# Altium PCB ST1-1-BASIS.PcbDoc (part 2 of 7)
Units mm, origin at the board's own origin, x right, y up, seen from the top; angles counter-clockwise.
Board outline 88 x 170 mm, 6 copper layers (Top Layer, Mid 1, Mid 2 (GND), Mid 3 (PWR), Mid 4, Bottom Layer), stack 1.55 mm thick; 633 components, 333 nets, 1767 pads, 930 vias.
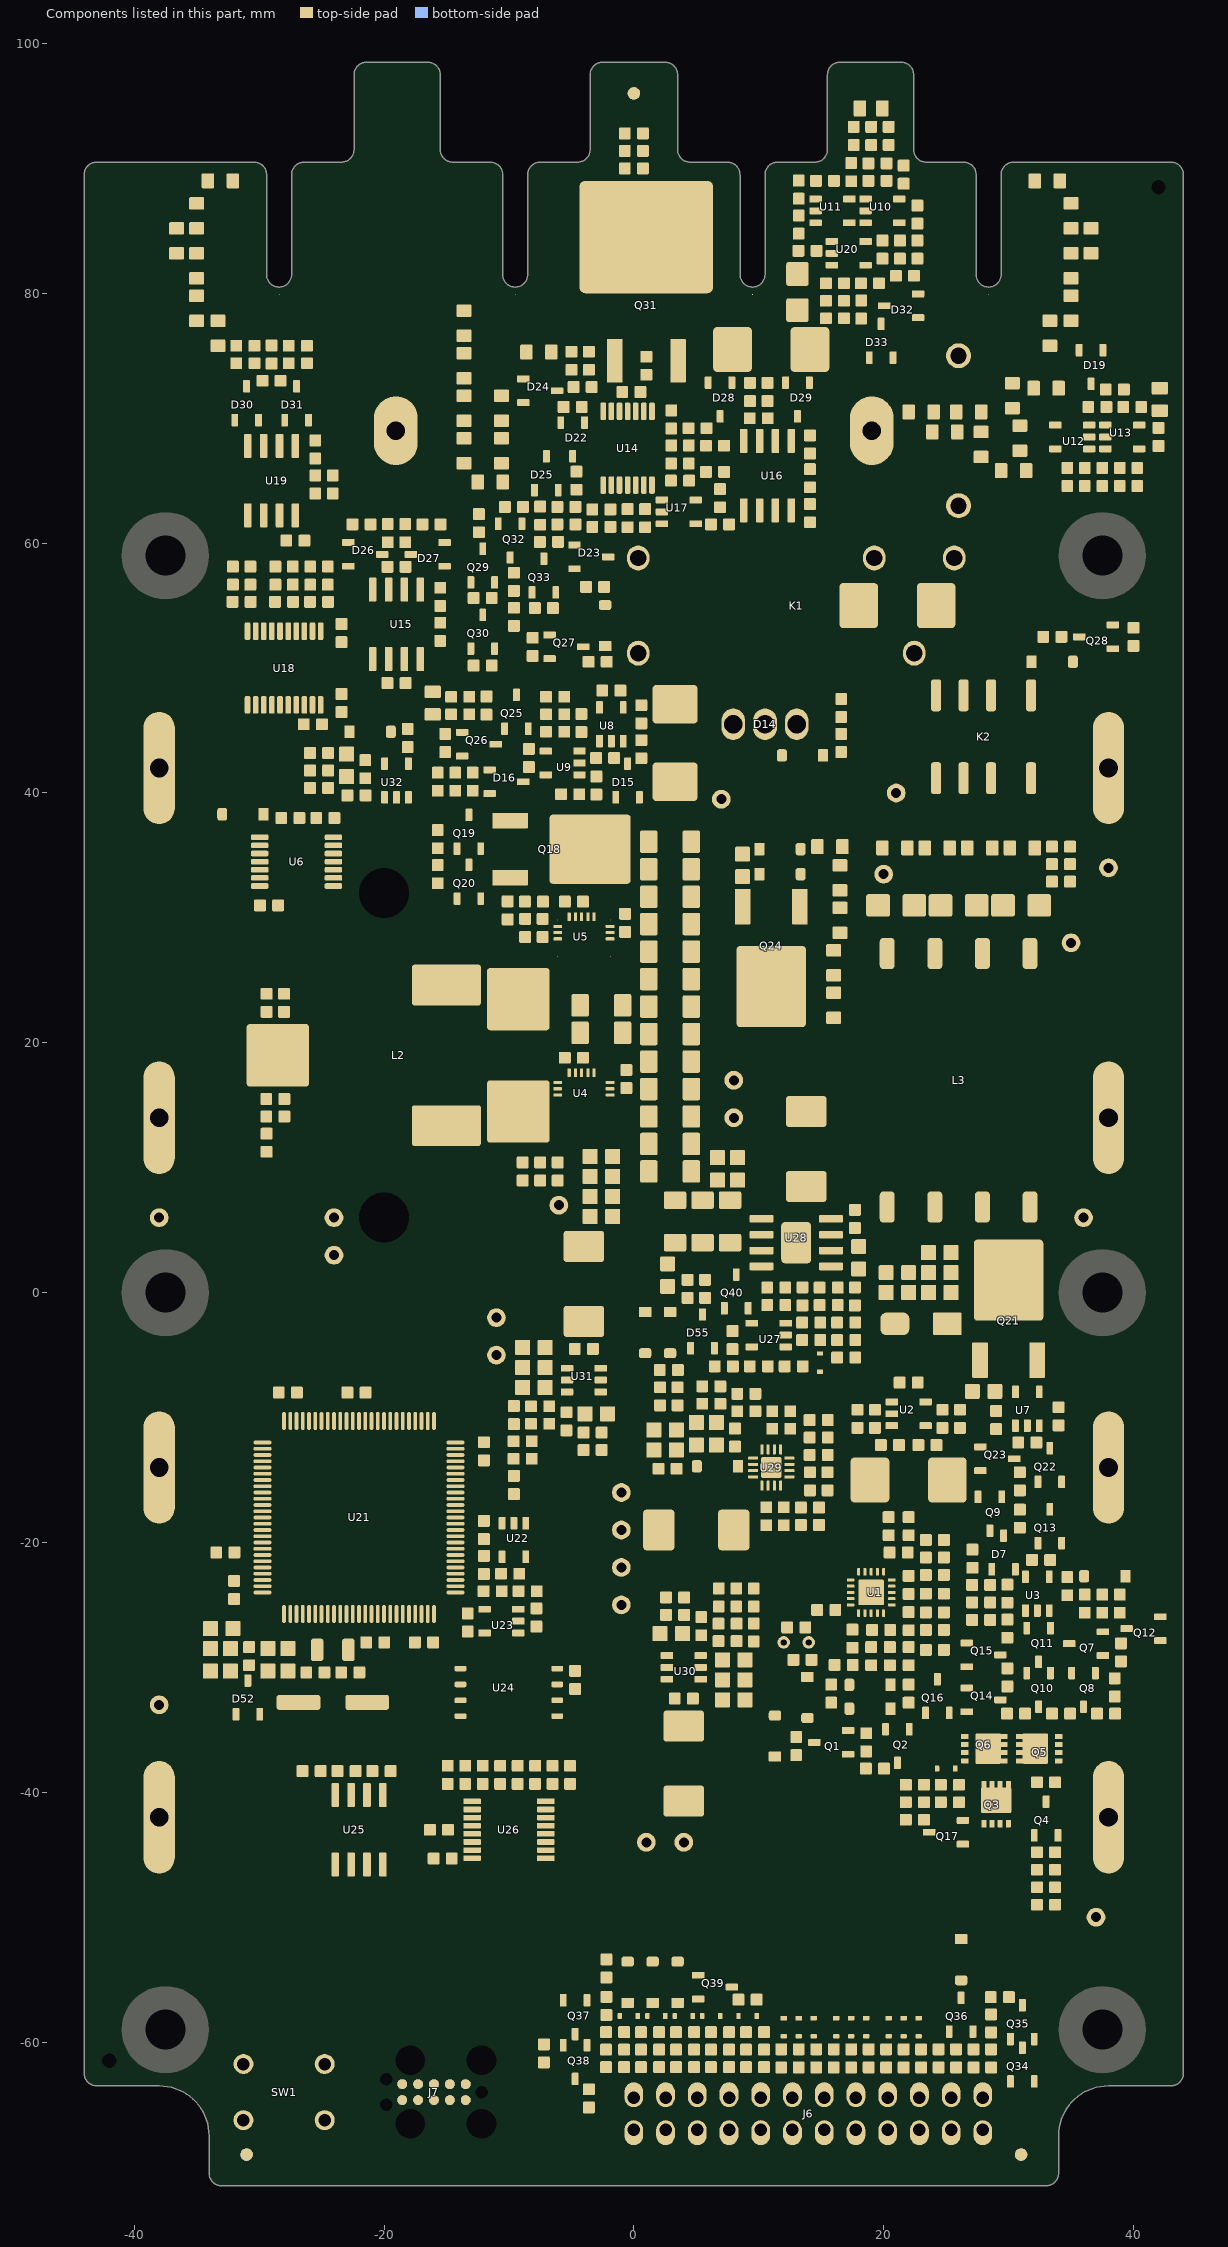
[diagram p6: the components of this part, seen from the top]

## Components (designator, comment, footprint, x,y, rotation, side; value= is the part's Value field where it differs from the comment) (continued)
C137 "10U/0805/50V/X5R" CAP0805_X7R 8,-29.4 r180 top value=10uF
C138 "47P/0603/50V/C0G" CAP0603_C0G 7.5,-27.9 r180 top value=47pF
C139 "10N/0603/50V/X7R" CAP0603_X7R 8.2,-24.4 r270 top value=10nF
C140 "100N/0603/50V/X7R" CAP0603_X7R -4,-4.5 r180 top value=100nF
C141 "10U/0805/50V/X5R" CAP0805_X7R -3,-9.7 r180 top value=10uF
C142 "10U/0805/50V/X5R" CAP0805_X7R -8,-4.4 r0 top value=10uF
C143 "10U/0805/50V/X5R" CAP0805_X7R -8,-6 r0 top value=10uF
C144 "10U/0805/50V/X5R" CAP0805_X7R -8,-7.6 r0 top value=10uF
C145 "47P/0603/50V/C0G" CAP0603_C0G -7.5,-9.1 r0 top value=47pF
C146 "10N/0603/50V/X7R" CAP0603_X7R -9.6,-15.4 r270 top value=10nF
C147 "1U/0603/50V/X5R" CAP0603_X7R -22.2,39.8 r180 top value=1.0uF
C148 "1U/0603/50V/X5R" CAP0603_X7R -21.5,41.9 r270 top value=1.0uF
C149 "10U/0805/50V/X5R" CAP0805_X7R -23,42.2 r270 top value=10uF
C150 "10N/0603/50V/X7R" CAP0603_X7R -18.1,44.4 r90 top value=10nF
C151 "10N/0603/50V/X7R" CAP0603_X7R -25.2,41.8 r0 top value=10nF
D1 "B5819W SL" SOD3718X125 18.9,-31.4 r0 top
D2 "B5819W SL" SOD3718X125 18.9,-33.3 r0 top
D3 "B5819W SL" SOD3718X125 11.3,-35.5 r270 top
D4 "DDZ9678" SOD3718X125 13.9,-32.4 r90 top value=1.8V
D5 "B5819W SL" SOD3718X125 37.7,-22.7 r0 top
D6 "BZT52C15T" SOD1608X065 25,-38.1 r0 top
D7 "BAV199" SOT2395P280X125-3-SE 29.6,-20.8 r270 top
D8 "B5819W SL" SOD3718X125 -31.3,38.3 r0 top
D9 "SS210 SMA" DIOM5226X230 23,-2.5 r0 top value=SS210
D10 "DDZ9700" SOD3718X125 11.7,33.5 r180 top value=13V
D11 "DDZ9700" SOD3718X125 11.7,35.5 r180 top value=13V
D12 "LED Red" LED0805_RED -16.1,47.2 r90 top value=Red
D13 "BZT52C68" SOD3718X125 13.5,43 r0 top
D14 "TYN30-600" TO220-3 10.5,45.5 r0 top value=TYN30-600TFQ
D15 "BAV199" SOT2395P280X125-3-SE -0.5,41 r270 top
D16 "BAV199" SOT2395P280X125-3-SE -10.2,40.9 r180 top
D17 "LED Red" LED0805_RED 19,94.8 r180 top value=Red
D18 "B5819W SL" SOD3718X125 -2.3,53.4 r270 top
D19 "BAV199" SOT2395P280X125-3-SE 36.6,74.1 r90 top
D20 "B5819W SL" SOD3718X125 33.5,50.5 r180 top
D21 "LED Red" LED0805_RED 42.1,71.5 r270 top value=Red
D22 "BAV199" SOT2395P280X125-3-SE -4.9,68.3 r90 top
D23 "BAV199" SOT2395P280X125-3-SE -3.4,58.9 r180 top
D24 "BAV199" SOT2395P280X125-3-SE -7.5,72.2 r180 top
D25 "BAV199" SOT2395P280X125-3-SE -7,65.6 r270 top
D26 "BAV199" SOT2395P280X125-3-SE -21.5,59.1 r180 top
D27 "BAV199" SOT2395P280X125-3-SE -16.5,59.1 r0 top
D28 "BAV199" SOT2395P280X125-3-SE 6.9,71.5 r90 top
D29 "BAV199" SOT2395P280X125-3-SE 13.1,71.5 r90 top
D30 "BAV199" SOT2395P280X125-3-SE -31,71.2 r270 top
D31 "BAV199" SOT2395P280X125-3-SE -27,71.2 r270 top
D32 "BAV199" SOT2395P280X125-3-SE 21.4,79 r0 top
D33 "BAV199" SOT2395P280X125-3-SE 19.8,76.2 r270 top
D34 "B5819W SL" SOD3718X125 26.2,-53.4 r90 top
D35 "BZT52C3V3T" SOD1608X065 12,-58.8 r90 top
D36 "BZT52C3V3T" SOD1608X065 13.2,-58.8 r90 top
D37 "BZT52C3V3T" SOD1608X065 22.8,-58.8 r90 top
D38 "BZT52C3V3T" SOD1608X065 21.6,-58.8 r90 top
D39 "BZT52C3V3T" SOD1608X065 18.6,-58.8 r90 top
D40 "BZT52C3V3T" SOD1608X065 20.4,-58.8 r90 top
D41 "BZT52C3V3T" SOD1608X065 17.4,-58.8 r90 top
D42 "BZT52C3V3T" SOD1608X065 14.4,-58.8 r90 top
D43 "BZT52C3V3T" SOD1608X065 16.2,-58.8 r90 top
D44 "BZT52C3V3T" SOD1608X065 6.2,-57.9 r0 top
D45 "BZT52C3V3T" SOD1608X065 9.1,-57.9 r0 top
D46 "B5819W SL" SOD3718X125 1.5,-55.2 r270 top
D47 "B5819W SL" SOD3718X125 -0.5,-55.2 r270 top
D48 "B5819W SL" SOD3718X125 3.5,-55.2 r270 top
D49 "BZT52C3V3T" SOD1608X065 1.8,-57.9 r0 top
D50 "BZT52C3V3T" SOD1608X065 -0.4,-57.9 r0 top
D51 "BZT52C3V3T" SOD1608X065 4,-57.9 r0 top
D52 "BAV199" SOT2395P280X125-3-SE -30.9,-32.4 r270 top
D53 "B5819W SL" SOD3718X125 0.9,-3.2 r90 top
D54 "BZT52C3V3T" SOD1608X065 14.9,-5.6 r270 top
D55 "BAV199" SOT2395P280X125-3-SE 5.5,-3.1 r270 top
D56 "B5819W SL" SOD3718X125 2.9,-3.2 r90 top
D57 "B5819W SL" SOD3718X125 6.7,-13.9 r0 top
D58 "B5819W SL" SOD3718X125 -21.1,44.9 r180 top
F1 "10A/5AG/FUSE" Fuse_5AG_5mm 0,69 r180 bottom value=10A
F2 "Fuseholder/5AG" KEYSTONE_3576 0,69 r180 bottom
FM1 "Fidu" FIDU-1MM -31,-69 r0 top
FM2 "Fidu" FIDU-1MM 31,-69 r0 top
FM3 "Fidu" FIDU-1MM 0,96 r0 top
FM4 "Fidu" FIDU-1MM -31,-69 r180 bottom
FM5 "Fidu" FIDU-1MM 31,-69 r180 bottom
FM6 "Fidu" FIDU-1MM 0,96 r180 bottom
GDT1 "GDT-1400V-A71" GDTAD1200W100L800D800H1200 26,69 r90 bottom value=1400V
J1 "Solder Jumper 2pin 0.3mm" Solder_Jumper_2pin_0.3mm 11.5,-31.5 r0 top
J2 "SLB4-F6.3 RED-1MM-UP" SLB4-F6.3-RED -9.5,111.5 r0 top locked
J3 "SLB4-F6.3 BLACK-1MM-UP" SLB4-F6.3-BLACK 9.5,111.5 r0 top locked
J4 "SLB4-F6.3 RED-1MM-DOWN" SLB4-F6.3-RED -28.4,111.5 r0 top locked
J5 "SLB4-F6.3 BLACK-1MM-DOWN" SLB4-F6.3-BLACK 28.4,111.5 r0 top locked
J6 "Socket_2x12" SOCK_254_2X12_700 0,-67 r90 top
J7 "TAG-CON-10-DUAL" TC2050-2 -16,-64 r180 top
K1 "G6RL-14-ASI DC12" G6RL-1 13,55 r270 top locked
K2 "FTR-B3GA012Z-B10" FTR-B3G 28,44.5 r180 top
L1 "10UH/MDA1365" INDM140X128X65 -15,19 r90 top value=10UH
L2 "10UH/PQ2012J" IND_PQ2015J -20,19 r90 top locked value=10UH
L3 "TR/RM5/FLYBACK/PS1-1" TR_FLYBACK_RM5_PS1-100 26,17 r90 top
L4 "330UH\7643" INDM7676X43 13.8,11.5 r90 top value=330UH
L5 "22UH\7643" INDM7676X43 5,-19 r0 top value=22UH
L6 "22UH\7643" INDM7676X43 4,-37.7 r270 top value=22UH
L7 "22UH\7643" INDM7676X43 -4,0.7 r90 top value=22UH
M1 "PCB NAME" PCB-NAME-5MM-LEFT -11,-51 r0 top
M2 "Tooling JLC" TOOLING-JLC -42,-61.5 r0 top
M3 "SERIAL 2D" SERIAL-2D-10MM-RESTRICT -38,29.5 r0 top
M4 "LOGO WHE" LOGO-WHE-10MM -32,-58 r0 top
M5 "Tooling JLC" TOOLING-JLC 42,88.5 r90 top
M6 "QR PROJ URL" QR-PROJECT-URL-10MM -19,-53 r0 top
M7 "LOGO FSG" LOGO-FSG-10MM 5,-53 r0 top
NT1 "NET-TIE_1000X100-I4" NET-TIE_1000X100 15,-13 r135 top net-tie
Q1 "BSS84" SOT2395P280X125-3-SE 15.8,-36 r0 top
Q2 "BSS138" SOT2395P280X125-3-SE 21.1,-36.3 r90 top
Q3 "AGM40P35AP" SON065P330X330X075-5-TH245X175 29,-41 r0 top
Q4 "MMBT4403L" SOT2395P280X125-3-SE 33,-42.1 r270 top
Q5 "AGM40P35AP" SON065P330X330X075-5-TH245X175 32.5,-36.5 r90 top
Q6 "AGM40P35AP" SON065P330X330X075-5-TH245X175 28,-36.5 r270 top
Q7 "BSS84" SOT2395P280X125-3-SE 36.2,-28.1 r0 top
Q8 "BSS84" SOT2395P280X125-3-SE 36,-31.8 r90 top
Q9 "BSS84" SOT2395P280X125-3-SE 28.5,-17.7 r90 top
Q10 "BSS138" SOT2395P280X125-3-SE 32.4,-31.8 r90 top
Q11 "BSS138" SOT2395P280X125-3-SE 32.4,-28.2 r90 top
Q12 "BSS138" SOT2395P280X125-3-SE 40.8,-26.9 r0 top
Q13 "BSS138" SOT2395P280X125-3-SE 33.3,-18.7 r270 top
Q14 "BSS138" SOT2395P280X125-3-SE 28,-32.6 r180 top
Q15 "BSS138" SOT2395P280X125-3-SE 28,-29 r180 top
Q16 "BSS138" SOT2395P280X125-3-SE 24.3,-32.3 r270 top
Q17 "BSS138" SOT2395P280X125-3-SE 25,-43.2 r0 top
Q18 "D11N20" TO228P990X229-3 -3.5,35.5 r270 top
Q19 "BSS138" SOT2395P280X125-3-SE -13.2,36.9 r270 top
Q20 "MMBT3904" SOT2395P280X125-3-SE -13.2,32.9 r270 top
Q21 "D11N20" TO228P990X229-3 30,1 r0 top
Q22 "BSS138" SOT2395P280X125-3-SE 33.3,-13.8 r270 top
Q23 "BSS138" SOT2395P280X125-3-SE 29.1,-13.3 r180 top
Q24 "3N120" TO228P990X229-3 11,24.5 r180 top
Q25 "BSS84" SOT2395P280X125-3-SE -9.4,46.5 r270 top
Q26 "BSS138" SOT2395P280X125-3-SE -12.4,43.9 r180 top
Q27 "BSS138" SOT2395P280X125-3-SE -5.4,51.7 r180 top
Q28 "BSS138" SOT2395P280X125-3-SE 37,52.5 r0 top
Q29 "BSS84" SOT2395P280X125-3-SE -12.1,58.2 r270 top
Q30 "BSS138" SOT2395P280X125-3-SE -12.1,52.9 r270 top
Q31 "IPB107N20N3G" TO254P1530X1035-3 1,84.5 r0 top
Q32 "BSS84" SOT2395P280X125-3-SE -9.9,60.2 r90 top
Q33 "BSS138" SOT2395P280X125-3-SE -7.2,57.4 r270 top
Q34 "BSS84" SOT2395P280X125-3-SE 31.1,-61.8 r270 top
Q35 "BSS84" SOT2395P280X125-3-SE 31.1,-58.4 r270 top
Q36 "BSS138" SOT2395P280X125-3-SE 26.2,-57.8 r270 top
Q37 "BSS138" SOT2395P280X125-3-SE -4.7,-58 r90 top
Q38 "BSS138" SOT2395P280X125-3-SE -4.7,-61.6 r90 top
Q39 "BSS138" SOT2395P280X125-3-SE 6.5,-55.6 r180 top
Q40 "BSS138" SOT2395P280X125-3-SE 8.2,0.1 r270 top
R1 "10R/0603" R0603-0.40-WW 19,-29.1 r90 top value=10R
R2 "10R/0603" R0603-0.40-WW 15.8,-32.1 r90 top value=10R
R3 "100R/0603" R0603-0.40-WW 20.5,-29.1 r90 top value=100R
R4 "10M/0603" R0603-0.40-WW 18.6,-36 r270 top value=10M
R5 "100R/0603" R0603-0.40-WW 22,-29.1 r90 top value=100R
R6 "1M/0603" R0603-0.40-WW 19.3,-38.1 r0 top value=1M
R7 "100R/0603" R0603-0.40-WW 24.1,-27 r180 top value=100R
R8 "100R/0603" R0603-0.40-WW 24.1,-25.6 r180 top value=100R
R9 "100R/0603" R0603-0.40-WW 24.1,-24.1 r180 top value=100R
R10 "100R/0603" R0603-0.40-WW 24.1,-21.2 r180 top value=100R
R11 "100R/0603" R0603-0.40-WW 20.4,-18.7 r90 top value=100R
R12 "10M/0603" R0603-0.40-WW 22,-32.1 r90 top value=10M
R13 "100R/0603" R0603-0.40-WW 22,-18.7 r90 top value=100R
R14 "0R005/2512" R2512-0.65-WW 22,-15 r180 top value=0R005
R15 "10K/40MM/NTC/3380K" RESD200W25D200H4000 13,-28 r0 bottom value=10K
R16 "10K/0603/NTC/3380K" R0603-0.40-WW 13.5,-29.4 r0 top value=10K
R17 "330K/0603" R0603-0.40-WW 17.9,-10.1 r270 top value=330K
R18 "10K/0603" R0603-0.40-WW 20.5,-12.2 r180 top value=10K
R19 "10K/0603" R0603-0.40-WW 23.5,-12.2 r0 top value=10K
R20 "330K/0603" R0603-0.40-WW 26.1,-10.1 r90 top value=330K
R21 "1K/0603" R0603-0.40-WW 13,-36.3 r270 top value=1K
R22 "27R/0603" R0603-0.40-WW 33,-46.2 r180 top value=27R
R23 "27R/0603" R0603-0.40-WW 33,-47.6 r180 top value=27R
R24 "27R/0603" R0603-0.40-WW 33,-49 r180 top value=27R
R25 "27R/0603" R0603-0.40-WW 33,-44.8 r180 top value=27R
R26 "100K/0603" R0603-0.40-WW 33,-39.2 r180 top value=100K
R27 "100K/0603" R0603-0.40-WW 38.5,-31.6 r90 top value=100K
R28 "100K/0603" R0603-0.40-WW 37.8,-33.7 r180 top value=100K
R29 "200K/0603" R0603-0.40-WW 22.5,-39.4 r180 top value=200K
R30 "100K/0603" R0603-0.40-WW 30.9,-18.1 r90 top value=100K
R31 "1M/0603" R0603-0.40-WW 25.3,-39.4 r0 top value=1M
R32 "10K/0603" R0603-0.40-WW 34.2,-33.7 r180 top value=10K
R33 "100K/0603" R0603-0.40-WW 30.6,-33.7 r180 top value=100K
R34 "10K/0603" R0603-0.40-WW 22.5,-40.8 r180 top value=10K
R35 "1M/0603" R0603-0.40-WW 36.1,-24.9 r270 top value=1M
R36 "10M/0603" R0603-0.40-WW 38.9,-24.9 r270 top value=10M
R37 "100K/0603" R0603-0.40-WW 34.7,-23.5 r90 top value=100K
R38 "10K/0603" R0603-0.40-WW 39,-28.8 r90 top value=10K
R39 "6M8/0603" R0603-0.40-WW 27.8,-23.4 r0 top value=6M8
R40 "10K/0603" R0603-0.40-WW 29.9,-30.8 r270 top value=10K
R41 "100K/0603" R0603-0.40-WW 25.3,-40.8 r180 top value=100K
R42 "1M/0603" R0603-0.40-WW 37.5,-24.9 r90 top value=1M
R43 "100K/0603" R0603-0.40-WW 27.1,-21.3 r90 top value=100K
R44 "100K/0603" R0603-0.40-WW 29.9,-24.1 r270 top value=100K
R45 "100K/0603" R0603-0.40-WW 29.9,-26.9 r90 top value=100K
R46 "100K/0603" R0603-0.40-WW 27.8,-26.2 r0 top value=100K
R47 "100K/0603" R0603-0.40-WW -27.5,38 r180 top value=100K
R48 "0R/0603" R0603-0.40-WW -28,23.2 r90 top value=0R
R49 "0R/0603" R0603-0.40-WW -29.4,23.2 r90 top value=0R
R50 "100K/0603" R0603-0.40-WW -24.7,38 r0 top value=100K
R51 "10K/0603" R0603-0.40-WW -28.7,14.1 r0 top value=10K
R52 "10K/0603" R0603-0.40-WW -8,31.3 r0 top value=10K
R53 "10K/0603" R0603-0.40-WW -8.9,9.7 r270 top value=10K
R54 "10K/0603/NTC/3380K" R0603-0.40-WW -28.7,15.5 r180 top value=10K
R55 "10K/0603/NTC/3380K" R0603-0.40-WW -7.3,29.2 r270 top value=10K
R56 "10K/0603/NTC/3380K" R0603-0.40-WW -6.1,9.7 r90 top value=10K
R57 "100K/0603" R0603-0.40-WW -15.7,36.3 r90 top value=100K
R58 "100K/0603" R0603-0.40-WW -15.7,33.5 r270 top value=100K
R59 "30R/0603" R0603-0.40-WW -10.1,30.6 r270 top value=30R
R60 "1M/1206/HV" R1206-0.80-WW 21,31 r0 top value=1M
R61 "220K/0805/HV" R0805-0.50-HV-WW 20.9,35.6 r0 top value=220K
R62 "10K/0805" R0805-0.50-WW 21.1,1.6 r180 top value=10K
R63 "1M/1206/HV" R1206-0.80-WW 26,31 r0 top value=1M
R64 "220K/0805/HV" R0805-0.50-HV-WW 24.3,35.6 r0 top value=220K
R65 "1M/1206/HV" R1206-0.80-WW 31,31 r0 top value=1M
R66 "220K/0805/HV" R0805-0.50-HV-WW 27.7,35.6 r0 top value=220K
R67 "100K/0603" R0603-0.40-WW 34,-9.9 r270 top value=100K
R68 "220K/0805/HV" R0805-0.50-HV-WW 31.1,35.6 r0 top value=220K
R69 "0R/0805" R0805-0.50-WW 28,-7.9 r180 top value=0R
R70 "100K/0603" R0603-0.40-WW 31.5,-12 r180 top value=100K
R71 "2K/0603" R0603-0.40-WW 34.2,35.7 r0 top value=2K
R72 "2K/0603" R0603-0.40-WW 34.2,34.3 r0 top value=2K
R73 "100K/0603" R0603-0.40-WW 30.9,-15.1 r270 top value=100K
R74 "10K/0805" R0805-0.50-WW 8.7,34.2 r90 top value=10K
R75 "2M/0805/HV" R0805-0.50-HV-WW 16,23 r270 top value=2M
R76 "2M/0805/HV" R0805-0.50-HV-WW 16,26.4 r270 top value=2M
R77 "2M/0805/HV" R0805-0.50-HV-WW 16.5,29.8 r270 top value=2M
R78 "2M/0805/HV" R0805-0.50-HV-WW 16.5,33.2 r270 top value=2M
R79 "2M/0805/HV" R0805-0.50-HV-WW 15.7,35.7 r180 top value=2M
R80 "10K/0603" R0603-0.40-WW -13.9,46.3 r0 top value=10K
R81 "100K/0603" R0603-0.40-WW -11.8,47 r270 top value=100K
R82 "10K/0603" R0603-0.40-WW -6.3,47.7 r0 top value=10K
R83 "100K/0603" R0603-0.40-WW -15.1,44 r270 top value=100K
R84 "6K8/0603" R0603-0.40-WW -6.3,46.3 r0 top value=6K8
R85 "200K/0603" R0603-0.40-WW -3,40.6 r90 top value=200K
R86 "10K/0603" R0603-0.40-WW -14.3,40.9 r90 top value=10K
R87 "1K/0603" R0603-0.40-WW -15.7,40.9 r90 top value=1K
R88 "1K/0603" R0603-0.40-WW 0.6,43.5 r270 top value=1K
R89 "1M/0603" R0603-0.40-WW 16.6,46.8 r90 top value=1M
R90 "200K/0603" R0603-0.40-WW -2.3,42.8 r180 top value=200K
R91 "100K/0603" R0603-0.40-WW -12.9,40.9 r270 top value=100K
R92 "0R005/2512" R2512-0.65-WW 3.3,44 r90 top value=0R005
R93 "2K/0603" R0603-0.40-WW -5.1,39.9 r180 top value=2K
R94 "1K/0603" R0603-0.40-WW 0.6,46.3 r270 top value=1K
R95 "100K/0603" R0603-0.40-WW -4.2,45.6 r90 top value=100K
R96 "10K/0603" R0603-0.40-WW -6.3,44.9 r180 top value=10K
R97 "200K/0603" R0603-0.40-WW 13.2,88.3 r270 top value=200K
R98 "10K/0603" R0603-0.40-WW 17.6,92.6 r90 top value=10K
R99 "100K/0603" R0603-0.40-WW 21.3,83.5 r270 top value=100K
R100 "10K/0603" R0603-0.40-WW 21.6,89.5 r270 top value=10K
R101 "1K/0603" R0603-0.40-WW 20.4,92.6 r90 top value=1K
R102 "100K/0603" R0603-0.40-WW 19.5,90.4 r0 top value=100K
R103 "100K/0603" R0603-0.40-WW 22.7,83.5 r270 top value=100K
R104 "1M/0603" R0603-0.40-WW 19.5,89 r0 top value=1M
R105 "100K/0603" R0603-0.40-WW 15.3,89 r0 top value=100K
R106 "30K/0603" R0603-0.40-WW 13.2,85.5 r270 top value=30K
R107 "0R/2512" R2512-0.65-WW 21.1,55 r180 top value=0R
R108 "3M3/0805/HV" R0805-0.50-HV-WW 23,70.5 r0 top value=3M3
R109 "3M3/0805/HV" R0805-0.50-HV-WW 24.9,68.9 r0 top value=3M3
R110 "3M3/0805/HV" R0805-0.50-HV-WW 26.8,70.5 r0 top value=3M3
R111 "330R/0603" R0603-0.40-WW -2.9,50.5 r180 top value=330R
R112 "3M3/0805/HV" R0805-0.50-HV-WW 27.8,67.9 r270 top value=3M3
R113 "3M3/0805/HV" R0805-0.50-HV-WW 30.4,65.8 r0 top value=3M3
R114 "100K/0603" R0603-0.40-WW -8.1,51.7 r270 top value=100K
R115 "3M3/0805/HV" R0805-0.50-HV-WW 30.9,68.4 r90 top value=3M3
R116 "3M3/0805/HV" R0805-0.50-HV-WW 30.3,71.8 r90 top value=3M3
R117 "100K/0603" R0603-0.40-WW 38.9,65.3 r90 top value=100K
R118 "10K/0603" R0603-0.40-WW 40.3,65.3 r90 top value=10K
R119 "3M3/0805/HV" R0805-0.50-HV-WW 33,72.4 r0 top value=3M3
R120 "1K/0603" R0603-0.40-WW 42,68.5 r270 top value=1K
R121 "910K/0603" R0603-0.40-WW 38.5,72.3 r0 top value=910K
R122 "100K/0603" R0603-0.40-WW 36.1,65.3 r270 top value=100K
R123 "330R/0603" R0603-0.40-WW 33.5,52.5 r0 top value=330R
R124 "100K/0603" R0603-0.40-WW 40,52.5 r90 top value=100K
R125 "100R/0603" R0603-0.40-WW 16.1,79.4 r0 top value=100R
R126 "100R/1206" R1206-0.80-WW 13.1,80.1 r270 top value=100R
R127 "100R/0603" R0603-0.40-WW 16.1,78 r0 top value=100R
R128 "100R/0603" R0603-0.40-WW 9.3,72.1 r270 top value=100R
R129 "0R005/2512" R2512-0.65-WW 11,75.5 r0 top value=0R005
R130 "100R/0603" R0603-0.40-WW 10.7,72.1 r270 top value=100R
R131 "10K/0603" R0603-0.40-WW -5.4,61.5 r0 top value=10K
R132 "2K/0603" R0603-0.40-WW -4.6,65 r90 top value=2K
R133 "10K/0603" R0603-0.40-WW -3.1,56.5 r180 top value=10K
R134 "10K/0603" R0603-0.40-WW -5.4,62.9 r180 top value=10K
R135 "100K/0603" R0603-0.40-WW -2.6,61.3 r0 top value=100K
R136 "100K/0603" R0603-0.40-WW -12.1,55.6 r180 top value=100K
R137 "10K/0603" R0603-0.40-WW -5,74.6 r90 top value=10K
R138 "0R/0603" R0603-0.40-WW -4.1,72.5 r0 top value=0R
R139 "100K/0603" R0603-0.40-WW -12.1,50.2 r0 top value=100K
R140 "2K/0603" R0603-0.40-WW -9.6,62.9 r0 top value=2K
R141 "100K/0603" R0603-0.40-WW -12.4,61.6 r90 top value=100K
R142 "100K/0603" R0603-0.40-WW -3.6,74.6 r90 top value=100K
R143 "75K/0603" R0603-0.40-WW 5.1,69.2 r180 top value=75K
R144 "100R/0603" R0603-0.40-WW 1,74.2 r90 top value=100R
R145 "110K/0603" R0603-0.40-WW 4.4,67.1 r90 top value=110K
R146 "10K/0603" R0603-0.40-WW 6.5,67.8 r0 top value=10K
R147 "0R/0603" R0603-0.40-WW -7.5,62.2 r270 top value=0R
R148 "100K/0603" R0603-0.40-WW -6.8,60.1 r180 top value=100K
R149 "10K/0603" R0603-0.40-WW -7.2,54.8 r180 top value=10K
R150 "10K/0603" R0603-0.40-WW 0,92.8 r180 top value=10K
R151 "1K/0603" R0603-0.40-WW -9.6,56.9 r270 top value=1K
R152 "10K/0603/NTC/3380K" R0603-0.40-WW 0,90 r0 top value=10K
R153 "10K/0603" R0603-0.40-WW -9.6,54.1 r90 top value=10K
R154 "2M/0805/HV" R0805-0.50-HV-WW -13.6,77.6 r270 top value=2M
R155 "2M/0805/HV" R0805-0.50-HV-WW -13.6,74.2 r90 top value=2M
R156 "2M/0805/HV" R0805-0.50-HV-WW -13.6,70.8 r270 top value=2M
R157 "2M/0805/HV" R0805-0.50-HV-WW -13.6,67.4 r90 top value=2M
R158 "16K/0603" R0603-0.40-WW -21.8,61.5 r180 top value=16K
R159 "16K/0603" R0603-0.40-WW -19.7,60.8 r270 top value=16K
R160 "15K/0603" R0603-0.40-WW -15.5,52.9 r90 top value=15K
R161 "16K/0603" R0603-0.40-WW -16.2,61.5 r180 top value=16K
R162 "16K/0603" R0603-0.40-WW -18.3,60.8 r90 top value=16K
R163 "360K/0603" R0603-0.40-WW -15.5,55.7 r90 top value=360K
R164 "2M/0805/HV" R0805-0.50-HV-WW -7.6,75.3 r180 top value=2M
R165 "2M/0805/HV" R0805-0.50-HV-WW -10.6,70.8 r270 top value=2M
R166 "2M/0805/HV" R0805-0.50-HV-WW -10.6,67.4 r270 top value=2M
R167 "2M/0805/HV" R0805-0.50-HV-WW -11.5,64.9 r180 top value=2M
R168 "1K/0603" R0603-0.40-WW -25.9,57.4 r270 top value=1K
R169 "1K/0603" R0603-0.40-WW -24.5,57.4 r270 top value=1K
R170 "130K/0603" R0603-0.40-WW 6.9,61.5 r0 top value=130K
R171 "18K/0603" R0603-0.40-WW 6.9,63.6 r270 top value=18K
R172 "20K/0603" R0603-0.40-WW 14.1,65.2 r90 top value=20K
R173 "100K/0603" R0603-0.40-WW 14.1,67.9 r90 top value=100K
R174 "18K/0603" R0603-0.40-WW 6.5,65.7 r180 top value=18K
R175 "130K/0603" R0603-0.40-WW 3.7,65 r180 top value=130K
R176 "1K/0603" R0603-0.40-WW -27.3,57.4 r270 top value=1K
R177 "1K/0603" R0603-0.40-WW -28.7,57.4 r270 top value=1K
R178 "750K/0805/HV" R0805-0.50-HV-WW -33.1,89 r180 top value=750K
R179 "750K/0805/HV" R0805-0.50-HV-WW -35,86.2 r270 top value=750K
R180 "750K/0805/HV" R0805-0.50-HV-WW -36.6,84.2 r270 top value=750K
R181 "750K/0805/HV" R0805-0.50-HV-WW -35,82.2 r270 top value=750K
R182 "750K/0805/HV" R0805-0.50-HV-WW -35,78.8 r270 top value=750K
R183 "750K/0805/HV" R0805-0.50-HV-WW -33.3,76.8 r270 top value=750K
R184 "1M/0603" R0603-0.40-WW -31.1,74.4 r0 top value=1M
R185 "1M/0603" R0603-0.40-WW -31.1,75.8 r0 top value=1M
R186 "100K/0603" R0603-0.40-WW -24.1,64.7 r90 top value=100K
R187 "0R/0603" R0603-0.40-WW -29,75.1 r270 top value=0R
R188 "1M/0603" R0603-0.40-WW -26.9,74.4 r0 top value=1M